# Altium PCB CRIB.PcbDoc (part 1 of 3) (continued)
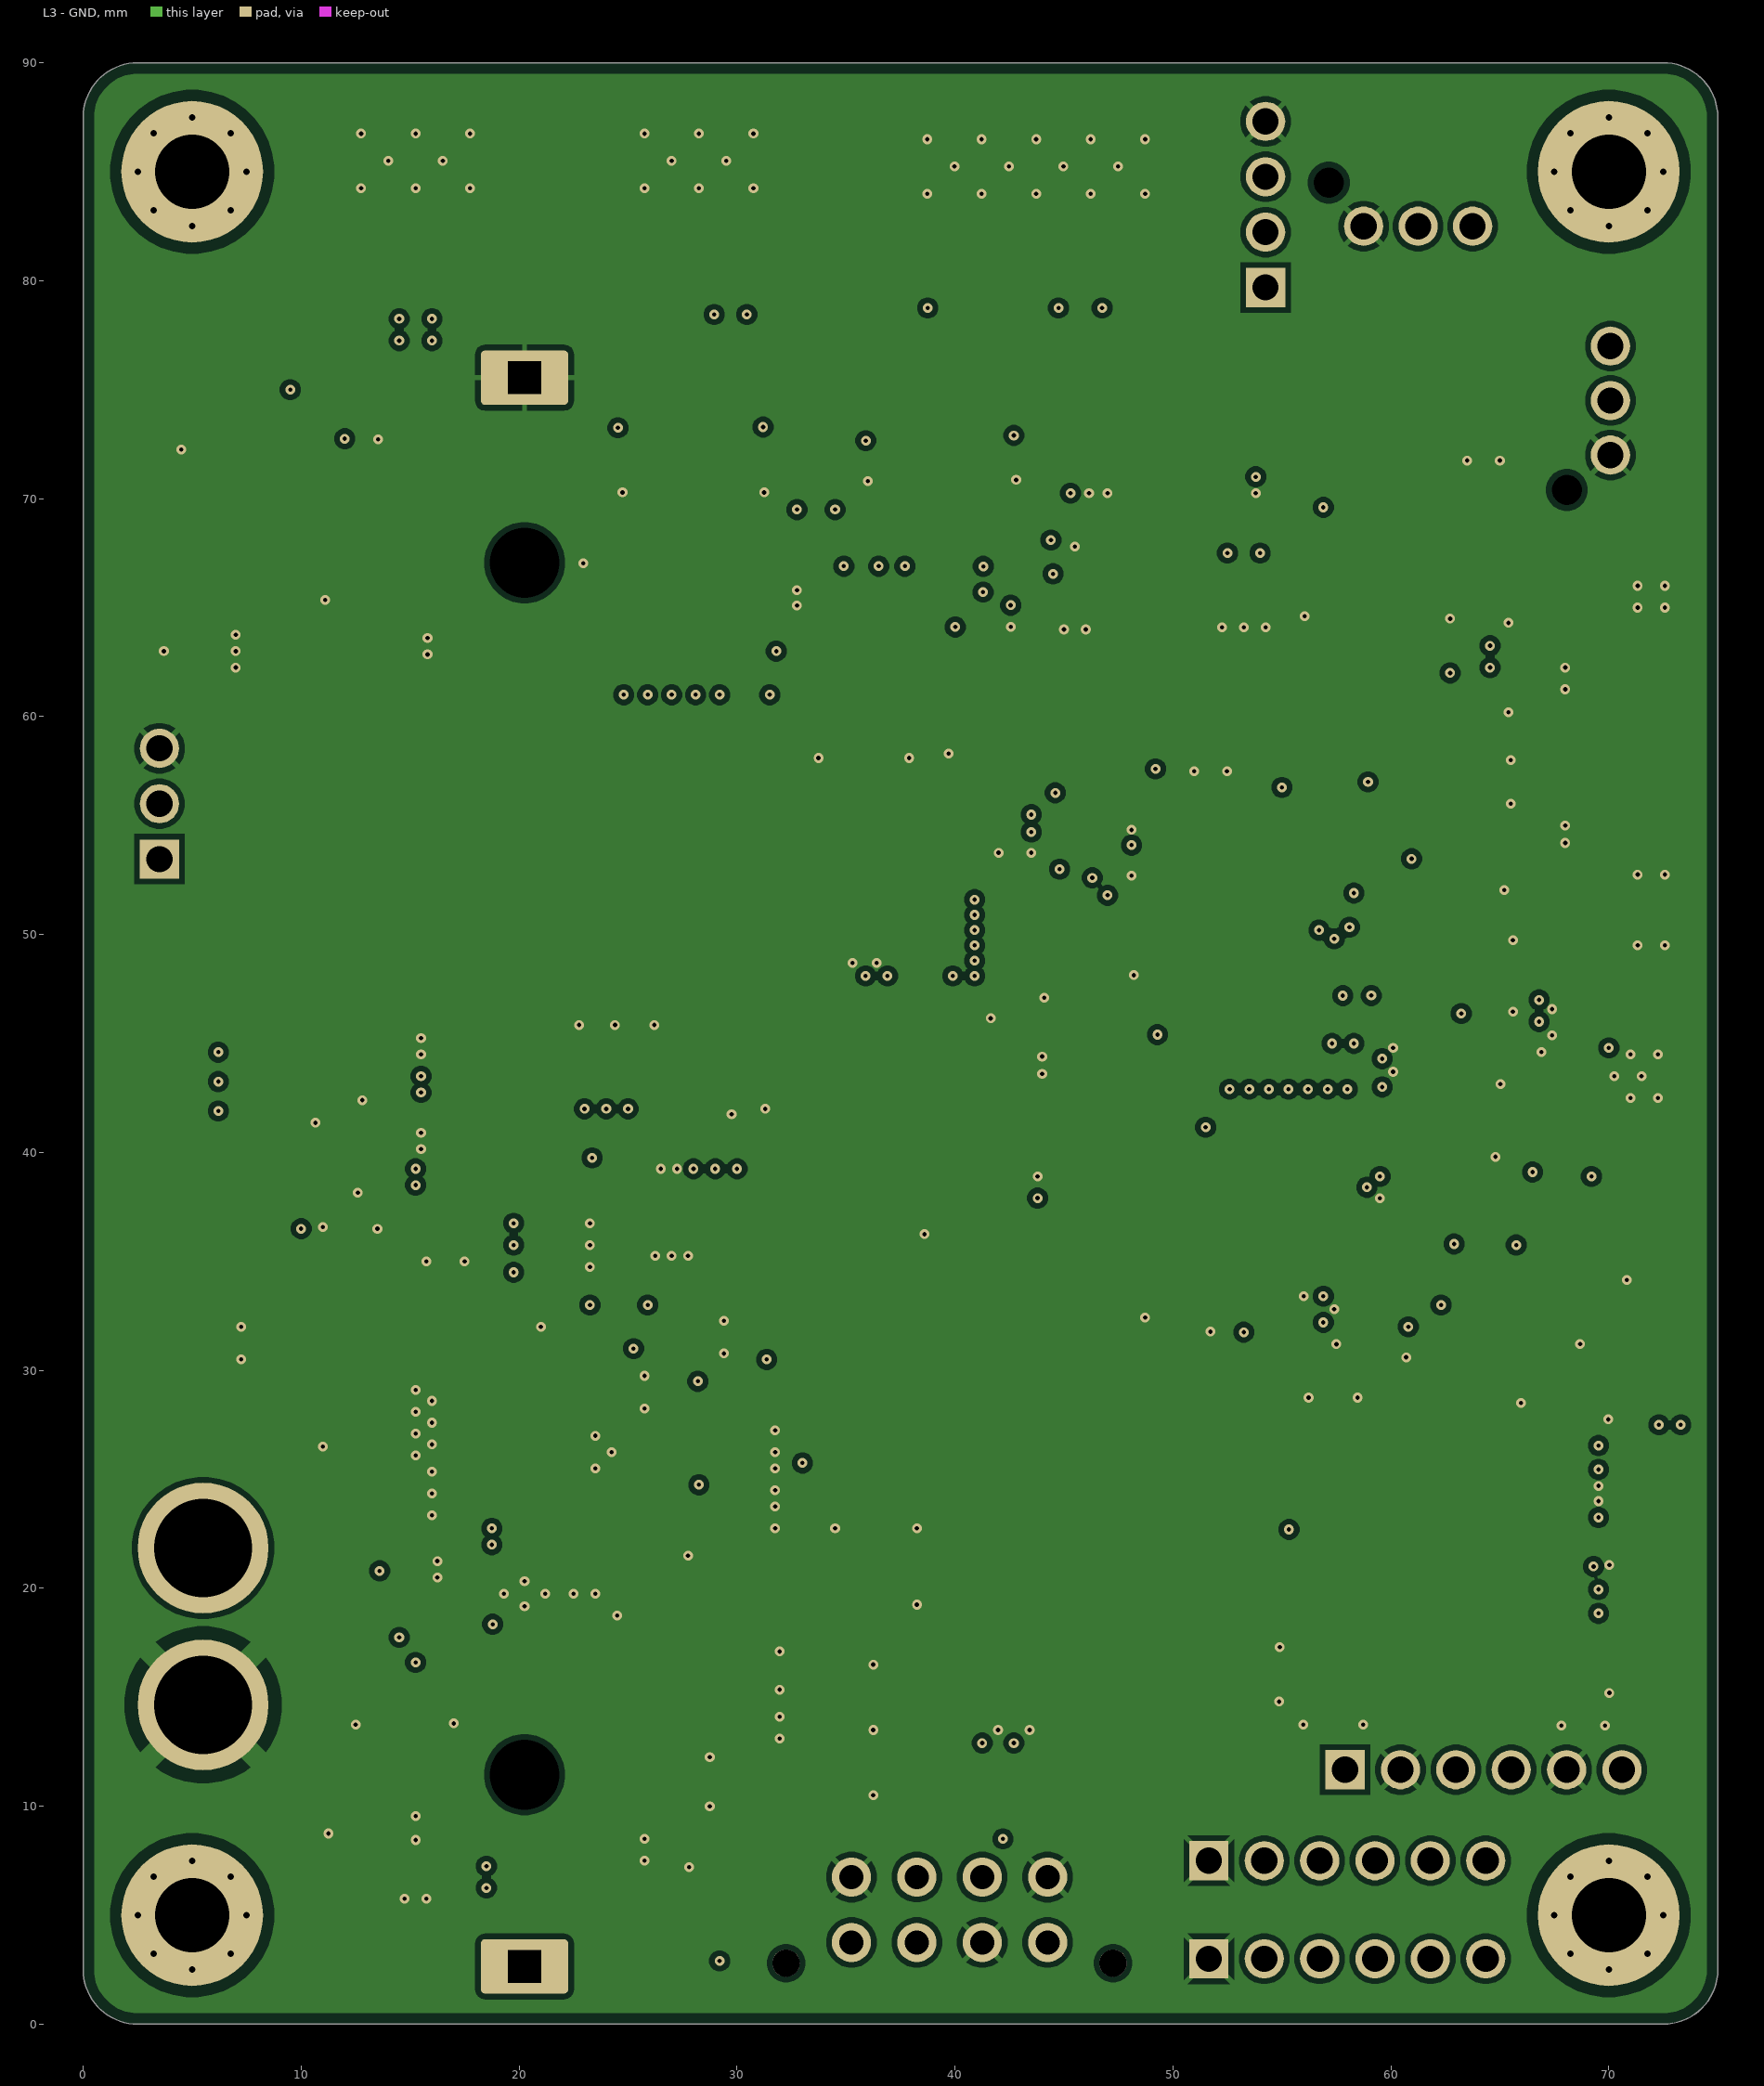
[diagram p3: L3 - GND]
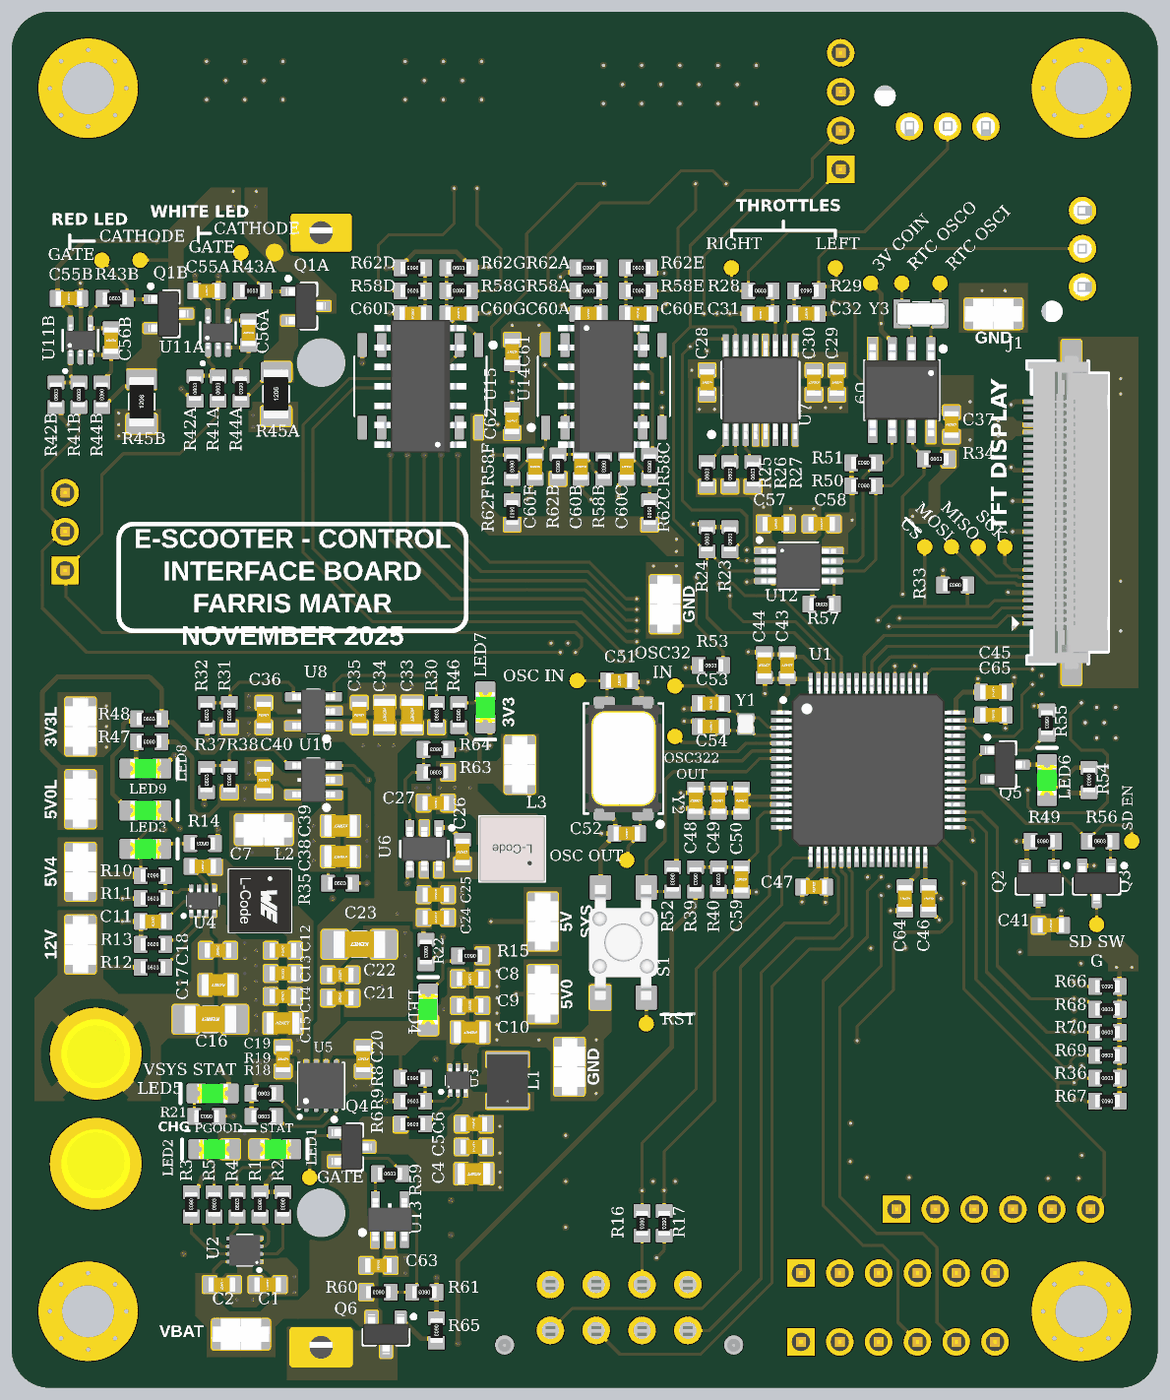
[diagram p6: 3D render of the assembled board from above, using the file's embedded part models]
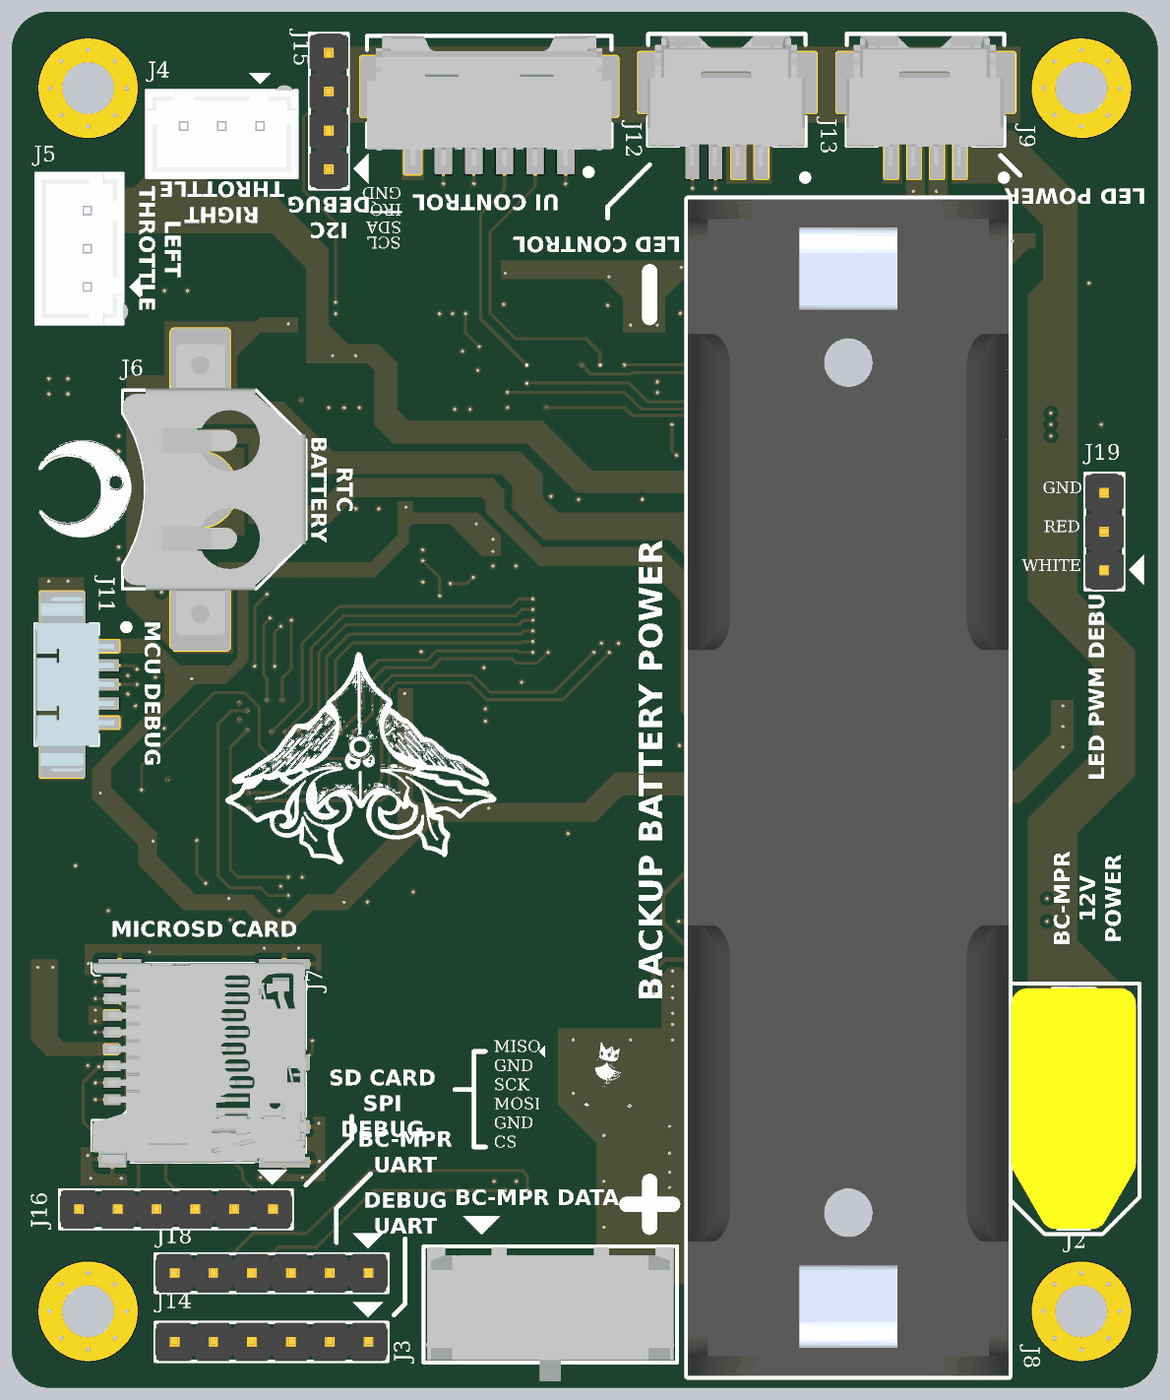
[diagram p7: 3D render of the assembled board from below, using the file's embedded part models]

## Layer stack, top to bottom
Top Solder: solder mask 0.0127, Solder Resist, Dk 3.8
L1 - Primary: signal copper 0.035
Dielectric 1: prepreg 0.1, 2313, Dk 4.05
L2 - GND: signal copper 0.0175
Core: core 1.265, FR-4, Dk 4.5
L3 - GND: signal copper 0.0175
Dielectric 2: prepreg 0.1, 2313, Dk 4.05
L4 - Secondary: signal copper 0.035
Bottom Solder: solder mask 0.0127, Solder Resist, Dk 3.8

## Board outline
0,2.5 0,87.5 cw(c2.5,87.5) 2.5,90 72.5,90 cw(c72.5,87.5) 75,87.5 75,2.5 cw(c72.5,2.5) 72.5,0 2.5,0 cw(c2.5,2.5)

## Design rules (kind name [scope] priority, off if disabled: settings)
BoardOutlineClearance BoardOutlineClearance_Silkscreen [OnLayer('Top Overlay') OR OnLayer('Bottom Overlay')] p1: gap=0.5 ignorepadtopadclearanceinfootprint=FALSE
BoardOutlineClearance [All] p2: gap=1 ignorepadtopadclearanceinfootprint=FALSE except(0.5: Fill-OutlineEdge Fill-CavityEdge Fill-CutoutEdge Fill-SplitBarrior Fill-SplitContinuation Poly-OutlineEdge Poly-CavityEdge Poly-CutoutEdge Poly-SplitBarrior Poly-SplitContinuation Region-OutlineEdge Region-CavityEdge Region-CutoutEdge Region-SplitBarrior Region-SplitContinuation Text-OutlineEdge Text-CavityEdge Text-CutoutEdge Text-SplitBarrior Text-SplitContinuation)
Clearance Clearance_1 [HasFootprint('MOLEX-5033981892')] p1: gap=0.2 ignorepadtopadclearanceinfootprint=FALSE except(0: SMDPad-Region; 0.102: Arc-Text Track-Text SMDPad-Text THPad-Text Text-Text; 0.127: Via-Text; 0.15: Arc-Arc Arc-Track Arc-SMDPad Track-Track Track-SMDPad SMDPad-SMDPad; 0.21: Arc-THPad Arc-Via Track-THPad Track-Via SMDPad-THPad SMDPad-Via THPad-THPad THPad-Via Via-Via; 0.25: Arc-Hole Track-Hole SMDPad-Hole THPad-Fill THPad-Poly THPad-Region THPad-Hole Via-Hole Fill-Hole Poly-Hole Region-Hole Text-Hole; 0.4: Fill-Text Poly-Text Region-Text)
Clearance Clearance_MH [HasFootprint('MOUNTING_HOLE_3mm')] p2: gap=0.5 ignorepadtopadclearanceinfootprint=FALSE
Clearance [All] p3: gap=0.2 ignorepadtopadclearanceinfootprint=FALSE except(0.102: Arc-Text Track-Text SMDPad-Text THPad-Text Text-Text; 0.127: Via-Text; 0.15: Arc-Arc Arc-Track Arc-SMDPad Arc-THPad Track-Track Track-SMDPad Track-THPad SMDPad-SMDPad; 0.21: Arc-Via Track-Via SMDPad-THPad SMDPad-Via THPad-THPad THPad-Via Via-Via; 0.25: Arc-Hole Track-Hole SMDPad-Hole THPad-Fill THPad-Poly THPad-Region THPad-Hole Via-Fill Via-Poly Via-Region Via-Hole Fill-Hole Poly-Hole Region-Hole Text-Hole; 0.4: Fill-Text Poly-Text Region-Text)
ComponentClearance [All] p1: gap=0.102 collisioncheckmode=3 verticalgap=0.102 showdistances=TRUE
DiffPairsRouting [All] p1: maxlimit=0.102 minlimit=0.102 mostfreqgap=0.102 toplayer_minwidth=0.102 toplayer_maxwidth=1816.048 toplayer_prefwidth=0.102 midlayer1_minwidth=0.102 midlayer1_maxwidth=1816.048 midlayer1_prefwidth=0.102 midlayer2_minwidth=0.102 midlayer2_maxwidth=1816.048 midlayer2_prefwidth=0.102 bottomlayer_minwidth=0.102 bottomlayer_maxwidth=1816.048 bottomlayer_prefwidth=0.102 maxuncoupledlength=12.7
Height [All] p1: minheight=0 maxheight=1816.048 prefheight=12.7
HoleSize [All] p1: absolutevalues=TRUE maxlimit=6.3 minlimit=0.2 maxpercent=80.000 minpercent=20.000
HoleToHoleClearance [All] p1: gap=0.25 allowstackedmicrovias=FALSE
MinimumAnnularRing [All] p1: minimumring=0.076
MinimumSolderMaskSliver [All] p1: minsoldermaskwidth=0.1
PlaneClearance [All] p1: clearance=0.102
PlaneConnect PlaneConnectPowerPads [InPadClass('PowerPads')] p1: planeconnectstyle=Direct reliefexpansion=0.508 reliefentries=4 reliefconductorwidth=0.254 reliefairgap=0.254
PlaneConnect [All] p2: pad.planeconnectstyle=Relief pad.reliefexpansion=0.3 pad.reliefentries=4 pad.reliefconductorwidth=0.102 pad.reliefairgap=0.102 via.planeconnectstyle=Direct via.reliefexpansion=0.3 via.reliefentries=4 via.reliefconductorwidth=0.127 via.reliefairgap=0.127
PolygonConnect PolygonConnectPowerPads [All vs (InPadClass('PowerPads'))] p1: connectstyle=Direct reliefconductorwidth=0.254 reliefentries=4 polygonreliefangle="90 Angle" airgapwidth=0.254
PolygonConnect [All] p2: thpad.connectstyle=Relief thpad.reliefconductorwidth=0.254 thpad.reliefentries=4 thpad.polygonreliefangle="45 Angle" thpad.airgapwidth=0.254 smdpad.connectstyle=Direct smdpad.reliefconductorwidth=0.254 smdpad.reliefentries=4 smdpad.polygonreliefangle="90 Angle" smdpad.airgapwidth=0.254 via.connectstyle=Direct via.reliefconductorwidth=0.127 via.reliefentries=4 via.polygonreliefangle="90 Angle" via.airgapwidth=0.127
RoutingVias [All] p1: holewidth=0.2 width=0.45 viastyle="Through Hole" minholewidth=0.2 minwidth=0.45 maxholewidth=6.3 maxwidth=6.55
SilkToSilkClearance [All] p1: silktosilkclearance=0
SilkToSolderMaskClearance [IsPad] p1: minsilkscreentomaskgap=0.102 clearancetoexposedcopper=TRUE
SolderMaskExpansion SolderMaskExpansion_Via [IsVia] p1: expansion=0.102 istentingtop=TRUE
SolderMaskExpansion [All] p2: expansion=0.075 istentingtop=FALSE
SupplyNets "Schematic Supply Nets_8" [InNet('VBAT_3V6')] p1: voltage=0.000
SupplyNets "Schematic Supply Nets_7" [InNet('12V')] p2: voltage=0.000
SupplyNets "Schematic Supply Nets_6" [InNet('3V3')] p3: voltage=0.000
SupplyNets "Schematic Supply Nets_5" [InNet('5V_SYS')] p4: voltage=0.000
SupplyNets "Schematic Supply Nets_4" [InNet('5V0L')] p5: voltage=0.000
SupplyNets "Schematic Supply Nets_3" [InNet('5V4')] p6: voltage=0.000
SupplyNets "Schematic Supply Nets_2" [InNet('GND')] p7: voltage=0.000
SupplyNets "Schematic Supply Nets_1" [InNet('3V3L')] p8: voltage=0.000
SupplyNets "Schematic Supply Nets" [InNet('5V0')] p9: voltage=0.000
Width [All] p1: maxlimit=1816.048 minlimit=0.16 preferedwidth=0.2 minimp=50.000000 maximp=50.000000 favimp=50.000000
20 further rules are at their usual default settings.

## Classes and differential pairs
channel class "Debounce Filter": "Centre Button Debounce" "Down Button Debounce" "Left Button Debounce" "Red Lamp Switch Debounce" "Right Button Debounce" "Up Button Debounce" "White Lamp Switch Debounce"
channel class "CC LED Driver": "Front LED Driver" "Rear LED Driver"
component class "White Lamp Switch Debounce": C60G R58G R62G
component class "User Interfaces": C61 C62 J12 J13 U14 U15
component class "Up Button Debounce": C60F R58F R62F
component class Top: MH1 MH2 MH3 MH4 TP24 TP25 TP26 TP27
component class "Throttle Interfaces": J4 J5 TP10 TP11
component class "Throttle ADC": C28 C29 C30 C31 C32 R25 R26 R27 R28 R29 U7
component class "TFT Display Interface": J1
component class "System Voltage Regulators": C4 C5 C6 C7 C8 C9 C10 C11 C12 C13 C14 C15 C16 C17 C18 C59 L1 L2 LED3 LED4 R6 R8 R9 R10 R11 R12 R13 R14 R15 R39 R40 TP1 TP2 TP8 U3 U4
component class "STM32 MCU": R33
component class "SD Card Interface": C41 J7 R36 R66 R67 R68 R69 R70
component class "Right Button Debounce": C60E R58E R62E
component class "Red Lamp Switch Debounce": C60D R58D R62D
component class "Rear LED Driver": C55B C56B Q1B R41B R42B R43B R44B R45B TP22B TP23B U11B
component class "Real Time Clock": C37 J6 R34 TP12 TP18 TP19 U9 Y3
component class "PMOS Load Switch": Q2 Q3 R49 R56 TP20 TP21
component class "OR Power Switch": C19 C20 C21 C22 C23 LED5 R18 R19 R21 TP5 U5
component class "MCU Power, Clock, & Debug": C43 C44 C45 C46 C47 C48 C49 C50 C51 C52 C53 C54 C64 C65 J11 LED6 Q5 R52 R53 R54 R55 S1 TP13 TP14 TP15 TP16 TP17 U1 Y1 Y2
component class "Lithium Battery UVP Switch": C63 Q4 R59 R60 R61 TP9 U13
component class "Lithium Battery Charger": C1 C2 J8 LED1 LED2 Q6 R1 R2 R3 R4 R5 R65 TP4 U2
component class "Left Button Debounce": C60C R58C R62C
component class "LED Lamp Interfaces": J9
component class "I2C Buffer": C57 C58 R23 R24 R50 R51 R57 U12
component class "Front LED Driver": 3 C55A C56A Q1A R41A R42A R43A R44A R45A TP22A TP23A U11A
component class "Down Button Debounce": C60B R58B R62B
component class "Debug Interface": J14 J15 J16 J18 J19 TP30 TP31 TP32 TP33
component class "Centre Button Debounce": C60A R58A R62A
component class "BC-MPR Interface": J2 J3 R16 R17
component class "Auxiliary Regulators": C24 C25 C26 C27 C33 C34 C35 C36 C38 C39 C40 L3 LED7 LED8 LED9 R22 R30 R31 R32 R35 R37 R38 R46 R47 R48 R63 R64 TP3 TP6 TP7 U6 U8 U10

## Components (designator, comment, footprint, x,y, rotation, side; value= is the part's Value field where it differs from the comment)
C1 "CAP_1uF_25V_0603" CAP0603 16.75,6.75 r0 top value=1μF
C2 "CAP_1uF_25V_0603" CAP0603 13.75,6.75 r180 top value=1μF
C4 "CAP_10uF_16V_0805" CAP0805 30.25,14 r180 top value=10μF
C5 "CAP_1uF_16V_0603" CAP0603 30.25,15.75 r180 top value=1μF
C6 "CAP_0.1uF_50V_0603" CAP0603 30.25,17.25 r180 top value=0.1μF
C7 "CAP_0.1uF_50V_0603" CAP0603 12.5,34.1 r180 top value=0.1μF
C8 "CAP_0.1uF_50V_0603" CAP0603 30,26.75 r180 top value=0.1μF
C9 "CAP_1uF_16V_0603" CAP0603 30,25 r180 top value=1μF
C10 "CAP_10uF_16V_0805" CAP0805 30,23.25 r180 top value=10μF
C11 "CAP_0.033uF_50V_X7R_0603" CAP0603 9.25,30.5 r0 top
C12 "CAP_0.1uF_16V_0603" CAP0603 17.75,28.6 r0 top value=0.1μF
C13 "CAP_2.2uF_25V_0603" CAP0603 17.75,27.1 r0 top value=2.2μF
C14 "CAP_4.7uF_16V_0603" CAP0603 17.75,25.6 r0 top value=4.7μF
C15 "CAP_22uF_16V_0805" CAP0805 17.75,23.85 r0 top value=22μF
C16 "CAP_10uF_50V_1206" CAP1206 13,24.1 r180 top value=10μF
C17 "CAP_1uF_25V_0805" CAP0805 13.5,26.35 r180 top value=1μF
C18 "CAP_0.1uF_50V_0603" CAP0603 13.5,28.6 r180 top value=0.1μF
C19 "CAP_0.1uF_16V_0603" CAP0603 17.75,21.5 r90 top value=0.1μF
C20 "CAP_0.1uF_16V_0603" CAP0603 23,21.5 r90 top value=0.1μF
C21 "CAP_0.1uF_16V_0603" CAP0603 21.5,25.5 r180 top value=0.1μF
C22 "CAP_1uF_25V_0603" CAP0603 21.5,27 r180 top value=1μF
C23 "CAP_100uF_10V_0603" CAP1206 22.75,29 r180 top value=100µF
C24 "CAP_2.2uF_25V_0603" CAP0603 27.75,30.75 r180 top value=2.2μF
C25 "CAP_0.1uF_50V_0603" CAP0603 27.75,32.25 r180 top value=0.1μF
C26 "CAP_0.1uF_50V_0603" CAP0603 29.5,35.05 r270 top value=0.1μF
C27 "CAP_22uF_10V_0603" CAP0603 27.75,38.25 r0 top value=22μF
C28 "CAP_0.1uF_16V_0603" CAP0603 45.5,65.75 r90 top value=0.1μF
C29 "CAP_0.1uF_16V_0603" CAP0603 54,65.75 r90 top value=0.1μF
C30 "CAP_0.1uF_16V_0603" CAP0603 52.5,65.75 r90 top value=0.1μF
C31 "CAP_0.1uF_50V_0603" CAP0603 49,70.25 r0 top value=0.1μF
C32 "CAP_0.1uF_50V_0603" CAP0603 52,70.25 r180 top value=0.1μF
C33 "CAP_10uF_16V_0805" CAP0805 26.2,44 r270 top value=10μF
C34 "CAP_1uF_25V_0805" CAP0805 24.4,44 r270 top value=1μF
C35 "CAP_0.1uF_50V_0603" CAP0603 22.75,44 r270 top value=0.1μF
C36 "CAP_2.2uF_25V_0603" CAP0603 16.5,44 r270 top value=2.2μF
C37 "CAP_1uF_16V_0603" CAP0603 61.5,63 r270 top value=1μF
C38 "CAP_10uF_16V_0805" CAP0805 21.525,34.75 r180 top value=10μF
C39 "CAP_1uF_25V_0805" CAP0805 21.525,36.75 r180 top value=1μF
C40 "CAP_2.2uF_25V_0603" CAP0603 16.5,39.75 r270 top value=2.2μF
C41 "CAP_10uF_10V_0603" CAP0603 68,30.25 r180 top value=10μF
C43 "CAP_4.7uF_16V_0603" CAP0603 50.75,47.25 r270 top value=4.7μF
C44 "CAP_0.1uF_16V_0603" CAP0603 49.25,47.25 r270 top value=0.1μF
C45 "CAP_0.1uF_16V_0603" CAP0603 64.25,45.5 r180 top value=0.1μF
C46 "CAP_0.1uF_16V_0603" CAP0603 60,32 r90 top value=0.1μF
C47 "CAP_0.1uF_16V_0603" CAP0603 52.5,32.75 r0 top value=0.1μF
C48 "CAP_1uF_16V_0603" CAP0603 44.75,38.404 r270 top value=1μF
C49 "CAP_0.1uF_16V_0603" CAP0603 46.25,38.404 r270 top value=0.1μF
C50 "CAP_0.01uF_100V_0603" CAP0603 47.75,38.404 r270 top value=0.01μF
C51 "CAP_6.2pF_250V_0603" CAP0603 39.75,46.25 r180 top value=6.2pF
C52 "CAP_6.2pF_250V_0603" CAP0603 40.25,36.25 r0 top value=6.2pF
C53 "CAP_10pF_50V_0603" CAP0603 45.75,44.75 r0 top value=10pF
C54 "CAP_10pF_50V_0603" CAP0603 45.75,43.25 r0 top value=10pF
C55A "CAP_0.1uF_50V_0603" CAP0603 12.75,71.75 r180 top value=0.1μF (schematic designator C55)
C55B "CAP_0.1uF_50V_0603" CAP0603 3.75,71.25 r180 top value=0.1μF (schematic designator C55)
C56A "CAP_0.01uF_100V_0603" CAP0603 15.5,69 r90 top value=0.01μF (schematic designator C56)
C56B "CAP_0.01uF_100V_0603" CAP0603 6.5,68.5 r90 top value=0.01μF (schematic designator C56)
C57 "CAP_0.1uF_16V_0603" CAP0603 50,56.5 r180 top value=0.1μF
C58 "CAP_0.1uF_16V_0603" CAP0603 53,56.5 r0 top value=0.1μF